# Altium PCB amp.PcbDoc (part 17 of 20)
Units mm, origin at the board's own origin, x right, y up, seen from the top; angles counter-clockwise.
Board outline 210 x 210 mm, 2 copper layers (Top Layer, Bottom Layer); 742 components, 1354 nets, 6402 pads, 5154 vias.
Unrouted connection lines stored in the file: 702.
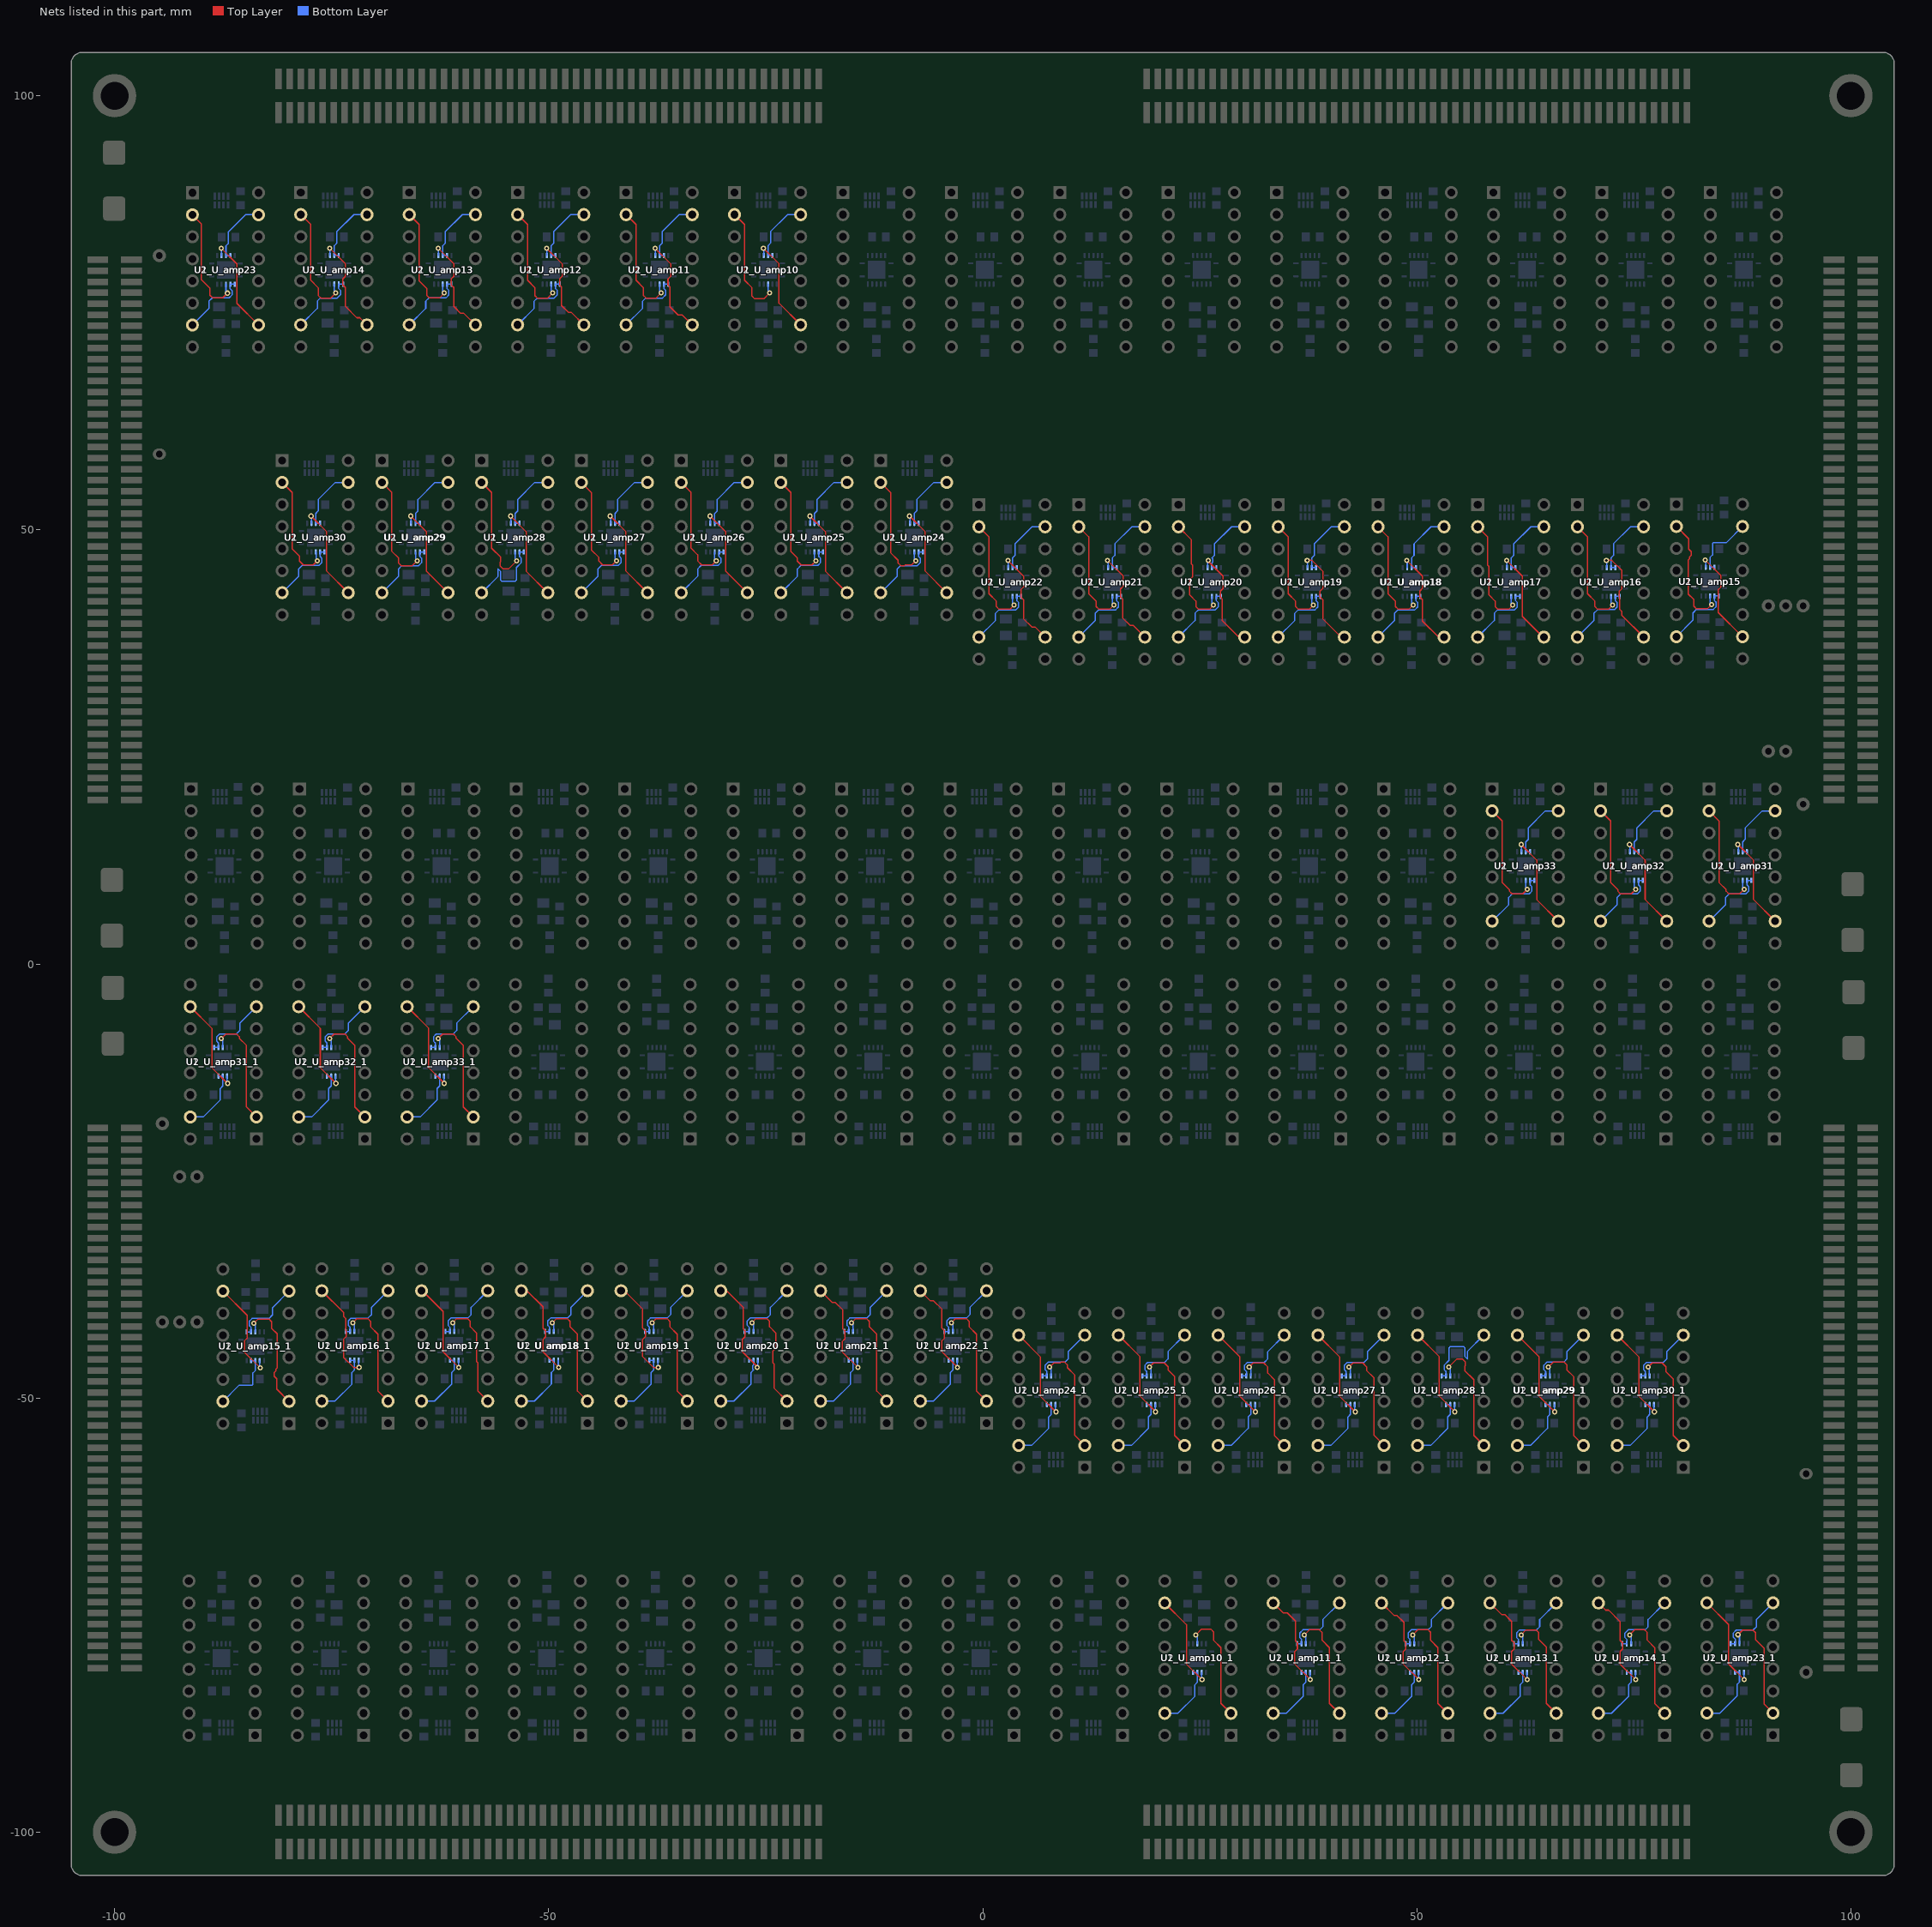
[diagram p17: the nets of this part, all layers, seen from the top]

## Via types
v1: diameter 0.6, hole 0.3, Top Layer to Bottom Layer, tented both sides, 4704 vias
v2: diameter 0.5, hole 0.3, Top Layer to Bottom Layer, 450 vias

## Nets (pads, with @x,y where several pads share a name; then routed paths per layer and width w, separated by ;. In a path a pad name is that pad's centre, name@x,y a point inside that pad or via, vN(x,y) a via of type N, cw(c..) or ccw(c..) an arc to the next point about the centre after c; other vN are vias at no path point) (continued)
NetU1_U_amp10_4: U1_U_amp10.4 U1_U_amp10_1.4 U2_U_amp10.2 U2_U_amp10_1.2 | length 27.5
  Top Layer w0.15: U2_U_amp10.2@-28.591,86.31 -27.445,85.164 -27.445,78.742 -26.585,77.882 -26.585,76.922 -26.278,76.615 -25.222,76.615 v1(-24.549,77.287) ; v1(24.549,-77.287) 25.222,-76.615 26.278,-76.615 26.585,-76.922 26.585,-77.882 27.445,-78.742 27.445,-85.164 U2_U_amp10_1.2@28.591,-86.31
  Bottom Layer w0.15: v1@-24.724,77.227 U1_U_amp10.4@-24.724,78.305 ; U1_U_amp10_1.4@24.724,-78.305 v1@24.724,-77.227
NetU1_U_amp10_10: U1_U_amp10.10 U1_U_amp10_1.10 U2_U_amp10.10 U2_U_amp10_1.10 | length 22.9
  Top Layer w0.15: v1(-25.264,82.443) -23.462,80.641 -23.462,76.101 U2_U_amp10.10@-20.971,73.61 ; U2_U_amp10_1.10@20.971,-73.61 23.462,-76.101 23.462,-80.641 v1(25.264,-82.443)
  Bottom Layer w0.15: v1(-25.264,82.443) -25.224,82.403 U1_U_amp10.10@-25.224,81.605 ; U1_U_amp10_1.10@25.224,-81.605 25.224,-82.403 v1(25.264,-82.443)
NetU1_U_amp10_11: U1_U_amp10.11 U1_U_amp10.12 U1_U_amp10_1.11 U1_U_amp10_1.12 U2_U_amp10.15 U2_U_amp10_1.15 | length 15.3
  Bottom Layer w0.15: U1_U_amp10.12@-24.224,81.605 U1_U_amp10.11@-24.724,81.605 -24.724,82.739 -24.436,83.028 -24.436,84.349 -22.474,86.31 U2_U_amp10.15@-20.971,86.31 ; U2_U_amp10_1.15@20.971,-86.31 22.474,-86.31 24.436,-84.349 24.436,-83.028 24.724,-82.739 U1_U_amp10_1.11@24.724,-81.605 U1_U_amp10_1.12@24.224,-81.605
NetU1_U_amp11_2: U1_U_amp11.2 U1_U_amp11.3 U1_U_amp11_1.2 U1_U_amp11_1.3 U2_U_amp11.7 U2_U_amp11_1.7 | length 16.6
  Bottom Layer w0.15: U2_U_amp11.7@-41.082,73.61 -39.177,75.515 -39.177,76.347 -38.833,76.691 -36.893,76.691 -36.514,77.07 -36.514,77.587 -36.723,77.795 -36.723,78.297 U1_U_amp11.3@-36.715,78.305 U1_U_amp11.2@-36.215,78.305 ; U1_U_amp11_1.2@36.215,-78.305 U1_U_amp11_1.3@36.715,-78.305 36.723,-78.297 36.723,-77.795 36.514,-77.587 36.514,-77.07 36.893,-76.691 38.833,-76.691 39.177,-76.347 39.177,-75.515 U2_U_amp11_1.7@41.082,-73.61
NetU1_U_amp11_4: U1_U_amp11.4 U1_U_amp11_1.4 U2_U_amp11.2 U2_U_amp11_1.2 | length 27.3
  Top Layer w0.15: U2_U_amp11.2@-41.082,86.31 -39.935,85.164 -39.935,78.742 -39.082,77.889 -39.082,76.999 -38.775,76.691 -37.636,76.691 v1(-37.039,77.287) ; v1(37.039,-77.287) 37.636,-76.691 38.775,-76.691 39.082,-76.999 39.082,-77.889 39.935,-78.742 39.935,-85.164 U2_U_amp11_1.2@41.082,-86.31
  Bottom Layer w0.15: v1@-37.215,77.227 U1_U_amp11.4@-37.215,78.305 ; U1_U_amp11_1.4@37.215,-78.305 v1@37.215,-77.227
NetU1_U_amp11_10: U1_U_amp11.10 U1_U_amp11_1.10 U2_U_amp11.10 U2_U_amp11_1.10 | length 24
  Top Layer w0.15: v1(-37.755,82.443) -35.952,80.641 -35.952,79.199 -36.252,78.899 -36.252,78.216 -36.027,77.991 -36.027,75.696 -35.092,74.761 -34.612,74.761 U2_U_amp11.10@-33.462,73.61 ; U2_U_amp11_1.10@33.462,-73.61 34.612,-74.761 35.092,-74.761 36.027,-75.696 36.027,-77.991 36.252,-78.216 36.252,-78.899 35.952,-79.199 35.952,-80.641 v1(37.755,-82.443)
  Bottom Layer w0.15: v1(-37.755,82.443) -37.715,82.403 U1_U_amp11.10@-37.715,81.605 ; U1_U_amp11_1.10@37.715,-81.605 37.715,-82.403 v1(37.755,-82.443)
NetU1_U_amp11_11: U1_U_amp11.11 U1_U_amp11.12 U1_U_amp11_1.11 U1_U_amp11_1.12 U2_U_amp11.15 U2_U_amp11_1.15 | length 15.3
  Bottom Layer w0.15: U1_U_amp11.12@-36.715,81.605 U1_U_amp11.11@-37.215,81.605 -37.215,82.739 -36.926,83.028 -36.926,84.349 -34.964,86.31 U2_U_amp11.15@-33.462,86.31 ; U2_U_amp11_1.15@33.462,-86.31 34.964,-86.31 36.926,-84.349 36.926,-83.028 37.215,-82.739 U1_U_amp11_1.11@37.215,-81.605 U1_U_amp11_1.12@36.715,-81.605
NetU1_U_amp12_2: U1_U_amp12.2 U1_U_amp12.3 U1_U_amp12_1.2 U1_U_amp12_1.3 U2_U_amp12.7 U2_U_amp12_1.7 | length 16.6
  Bottom Layer w0.15: U2_U_amp12.7@-53.572,73.61 -51.667,75.515 -51.667,76.347 -51.349,76.666 -49.409,76.666 -49.005,77.07 -49.005,77.587 -49.213,77.795 -49.213,78.297 U1_U_amp12.3@-49.205,78.305 U1_U_amp12.2@-48.705,78.305 ; U1_U_amp12_1.2@48.705,-78.305 U1_U_amp12_1.3@49.205,-78.305 49.213,-78.297 49.213,-77.795 49.005,-77.587 49.005,-77.07 49.409,-76.666 51.349,-76.666 51.667,-76.347 51.667,-75.515 U2_U_amp12_1.7@53.572,-73.61
NetU1_U_amp12_4: U1_U_amp12.4 U1_U_amp12_1.4 U2_U_amp12.2 U2_U_amp12_1.2 | length 27.4
  Top Layer w0.15: U2_U_amp12.2@-53.572,86.31 -52.425,85.164 -52.425,82.582 -52.425,78.742 -51.579,77.895 -51.579,76.973 -51.271,76.666 -50.151,76.666 v1(-49.53,77.287) ; v1(49.53,-77.287) 50.151,-76.666 51.271,-76.666 51.579,-76.973 51.579,-77.895 52.425,-78.742 52.425,-82.582 52.425,-85.164 U2_U_amp12_1.2@53.572,-86.31
  Bottom Layer w0.15: v1@-49.705,77.227 U1_U_amp12.4@-49.705,78.305 ; U1_U_amp12_1.4@49.705,-78.305 v1@49.705,-77.227
NetU1_U_amp12_10: U1_U_amp12.10 U1_U_amp12_1.10 U2_U_amp12.10 U2_U_amp12_1.10 | length 23.8
  Top Layer w0.15: v1(-50.245,82.443) -48.442,80.641 -48.442,79.199 -48.742,78.899 -48.742,78.216 -48.517,77.991 -48.517,75.842 -47.741,75.065 -47.407,75.065 U2_U_amp12.10@-45.952,73.61 ; U2_U_amp12_1.10@45.952,-73.61 47.407,-75.065 47.741,-75.065 48.517,-75.842 48.517,-77.991 48.742,-78.216 48.742,-78.899 48.442,-79.199 48.442,-80.641 v1(50.245,-82.443)
  Bottom Layer w0.15: v1(-50.245,82.443) -50.205,82.403 U1_U_amp12.10@-50.205,81.605 ; U1_U_amp12_1.10@50.205,-81.605 50.205,-82.403 v1(50.245,-82.443)
NetU1_U_amp12_11: U1_U_amp12.11 U1_U_amp12.12 U1_U_amp12_1.11 U1_U_amp12_1.12 U2_U_amp12.15 U2_U_amp12_1.15 | length 15.3
  Bottom Layer w0.15: U1_U_amp12.12@-49.205,81.605 U1_U_amp12.11@-49.705,81.605 -49.705,82.739 -49.416,83.028 -49.416,84.349 -47.454,86.31 U2_U_amp12.15@-45.952,86.31 ; U2_U_amp12_1.15@45.952,-86.31 47.454,-86.31 49.416,-84.349 49.416,-83.028 49.705,-82.739 U1_U_amp12_1.11@49.705,-81.605 U1_U_amp12_1.12@49.205,-81.605
NetU1_U_amp13_2: U1_U_amp13.2 U1_U_amp13.3 U1_U_amp13_1.2 U1_U_amp13_1.3 U2_U_amp13.7 U2_U_amp13_1.7 | length 16.6
  Bottom Layer w0.15: U2_U_amp13.7@-66.062,73.61 -64.157,75.515 -64.157,76.347 -63.788,76.716 -61.848,76.716 -61.495,77.07 -61.495,77.587 -61.703,77.795 -61.703,78.297 U1_U_amp13.3@-61.695,78.305 U1_U_amp13.2@-61.195,78.305 ; U1_U_amp13_1.2@61.195,-78.305 U1_U_amp13_1.3@61.695,-78.305 61.703,-78.297 61.703,-77.795 61.495,-77.587 61.495,-77.07 61.848,-76.716 63.788,-76.716 64.157,-76.347 64.157,-75.515 U2_U_amp13_1.7@66.062,-73.61
NetU1_U_amp13_4: U1_U_amp13.4 U1_U_amp13_1.4 U2_U_amp13.2 U2_U_amp13_1.2 | length 27.2
  Top Layer w0.15: U2_U_amp13.2@-66.062,86.31 -64.916,85.164 -64.916,78.677 -64.05,77.812 -64.05,77.024 -63.743,76.716 -62.591,76.716 v1(-62.02,77.287) ; v1(62.02,-77.287) 62.591,-76.716 63.743,-76.716 64.05,-77.024 64.05,-77.812 64.916,-78.677 64.916,-85.164 U2_U_amp13_1.2@66.062,-86.31
  Bottom Layer w0.15: v1@-62.195,77.227 U1_U_amp13.4@-62.195,78.305 ; U1_U_amp13_1.4@62.195,-78.305 v1@62.195,-77.227
NetU1_U_amp13_10: U1_U_amp13.10 U1_U_amp13_1.10 U2_U_amp13.10 U2_U_amp13_1.10 | length 23.9
  Top Layer w0.15: v1(-62.735,82.443) -60.933,80.641 -60.933,79.199 -61.233,78.899 -61.233,78.216 -60.933,77.916 -60.933,75.735 -60.136,74.938 -59.77,74.938 U2_U_amp13.10@-58.442,73.61 ; U2_U_amp13_1.10@58.442,-73.61 59.77,-74.938 60.136,-74.938 60.933,-75.735 60.933,-77.916 61.233,-78.216 61.233,-78.899 60.933,-79.199 60.933,-80.641 v1(62.735,-82.443)
  Bottom Layer w0.15: v1(-62.735,82.443) -62.695,82.403 U1_U_amp13.10@-62.695,81.605 ; U1_U_amp13_1.10@62.695,-81.605 62.695,-82.403 v1(62.735,-82.443)
NetU1_U_amp13_11: U1_U_amp13.11 U1_U_amp13.12 U1_U_amp13_1.11 U1_U_amp13_1.12 U2_U_amp13.15 U2_U_amp13_1.15 | length 15.3
  Bottom Layer w0.15: U1_U_amp13.12@-61.695,81.605 U1_U_amp13.11@-62.195,81.605 -62.195,82.739 -61.906,83.028 -61.906,84.349 -59.944,86.31 U2_U_amp13.15@-58.442,86.31 ; U2_U_amp13_1.15@58.442,-86.31 59.944,-86.31 61.906,-84.349 61.906,-83.028 62.195,-82.739 U1_U_amp13_1.11@62.195,-81.605 U1_U_amp13_1.12@61.695,-81.605
NetU1_U_amp14_2: U1_U_amp14.2 U1_U_amp14.3 U1_U_amp14_1.2 U1_U_amp14_1.3 U2_U_amp14.7 U2_U_amp14_1.7 | length 16.6
  Bottom Layer w0.15: U2_U_amp14.7@-78.552,73.61 -76.648,75.515 -76.648,76.347 -76.304,76.691 -74.364,76.691 -73.985,77.07 -73.985,77.587 -74.193,77.795 -74.193,78.297 U1_U_amp14.3@-74.185,78.305 U1_U_amp14.2@-73.685,78.305 ; U1_U_amp14_1.2@73.685,-78.305 U1_U_amp14_1.3@74.185,-78.305 74.193,-78.297 74.193,-77.795 73.985,-77.587 73.985,-77.07 74.364,-76.691 76.304,-76.691 76.648,-76.347 76.648,-75.515 U2_U_amp14_1.7@78.552,-73.61
NetU1_U_amp14_4: U1_U_amp14.4 U1_U_amp14_1.4 U2_U_amp14.2 U2_U_amp14_1.2 | length 27.3
  Top Layer w0.15: U2_U_amp14.2@-78.552,86.31 -77.406,85.164 -77.406,78.742 -76.547,77.883 -76.547,76.999 -76.24,76.691 -75.106,76.691 v1(-74.51,77.287) ; v1(74.51,-77.287) 75.106,-76.691 76.24,-76.691 76.547,-76.999 76.547,-77.883 77.406,-78.742 77.406,-85.164 U2_U_amp14_1.2@78.552,-86.31
  Bottom Layer w0.15: v1@-74.685,77.227 U1_U_amp14.4@-74.685,78.305 ; U1_U_amp14_1.4@74.685,-78.305 v1@74.685,-77.227
NetU1_U_amp14_10: U1_U_amp14.10 U1_U_amp14_1.10 U2_U_amp14.10 U2_U_amp14_1.10 | length 23.8
  Top Layer w0.15: v1(-75.225,82.443) -73.423,80.641 -73.423,79.199 -73.723,78.899 -73.723,78.216 -73.423,77.916 -73.423,75.754 -72.099,74.43 -71.752,74.43 U2_U_amp14.10@-70.932,73.61 ; U2_U_amp14_1.10@70.932,-73.61 71.752,-74.43 72.099,-74.43 73.423,-75.754 73.423,-77.916 73.723,-78.216 73.723,-78.899 73.423,-79.199 73.423,-80.641 v1(75.225,-82.443)
  Bottom Layer w0.15: v1(-75.225,82.443) -75.185,82.403 U1_U_amp14.10@-75.185,81.605 ; U1_U_amp14_1.10@75.185,-81.605 75.185,-82.403 v1(75.225,-82.443)
NetU1_U_amp14_11: U1_U_amp14.11 U1_U_amp14.12 U1_U_amp14_1.11 U1_U_amp14_1.12 U2_U_amp14.15 U2_U_amp14_1.15 | length 15.3
  Bottom Layer w0.15: U1_U_amp14.12@-74.185,81.605 U1_U_amp14.11@-74.685,81.605 -74.685,82.739 -74.396,83.028 -74.396,84.349 -72.435,86.31 U2_U_amp14.15@-70.932,86.31 ; U2_U_amp14_1.15@70.932,-86.31 72.435,-86.31 74.396,-84.349 74.396,-83.028 74.685,-82.739 U1_U_amp14_1.11@74.685,-81.605 U1_U_amp14_1.12@74.185,-81.605
NetU1_U_amp15_2: U1_U_amp15.2 U1_U_amp15.3 U1_U_amp15_1.2 U1_U_amp15_1.3 U2_U_amp15.7 U2_U_amp15_1.7 | length 16.6
  Bottom Layer w0.15: U1_U_amp15_1.2@-84.775,-42.389 U1_U_amp15_1.3@-84.275,-42.389 -84.267,-42.381 -84.267,-41.879 -84.476,-41.67 -84.476,-41.153 -84.16,-40.837 -82.22,-40.837 -81.813,-40.431 -81.813,-39.598 U2_U_amp15_1.7@-79.908,-37.694 ; U2_U_amp15.7@79.908,37.694 81.813,39.598 81.813,40.431 82.22,40.837 84.16,40.837 84.476,41.153 84.476,41.67 84.267,41.879 84.267,42.381 U1_U_amp15.3@84.275,42.389 U1_U_amp15.2@84.775,42.389
NetU1_U_amp15_4: U1_U_amp15.4 U1_U_amp15_1.4 U2_U_amp15.2 U2_U_amp15_1.2 | length 27.5
  Top Layer w0.15: v1(-83.951,-41.371) -83.476,-40.896 -82.219,-40.896 -81.907,-41.209 -81.907,-41.973 -81.277,-42.602 -81.277,-46.518 -81.427,-46.668 -81.427,-46.859 -81.627,-47.059 -81.627,-47.494 -81.327,-47.794 -81.327,-48.975 U2_U_amp15_1.2@-79.908,-50.394 ; U2_U_amp15.2@79.908,50.394 81.327,48.975 81.327,47.794 81.627,47.494 81.627,47.059 81.427,46.859 81.427,46.668 81.277,46.518 81.277,42.602 81.907,41.973 81.907,41.209 82.219,40.896 83.476,40.896 v1(83.951,41.371)
  Bottom Layer w0.15: v1(-83.951,-41.371) -83.775,-41.546 U1_U_amp15_1.4@-83.775,-42.389 ; U1_U_amp15.4@83.775,42.389 83.775,41.546 v1(83.951,41.371)
NetU1_U_amp15_10: U1_U_amp15.10 U1_U_amp15_1.10 U2_U_amp15.10 U2_U_amp15_1.10 | length 23.4
  Top Layer w0.15: U2_U_amp15_1.10@-87.528,-37.694 -84.738,-40.484 -84.738,-43.105 -85.038,-43.405 -85.038,-44.724 v1(-83.235,-46.527) ; v1(83.235,46.527) 85.038,44.724 85.038,43.405 84.738,43.105 84.738,40.484 U2_U_amp15.10@87.528,37.694
  Bottom Layer w0.15: U1_U_amp15_1.10@-83.275,-45.689 -83.275,-46.487 v1(-83.235,-46.527) ; v1(83.235,46.527) 83.275,46.487 U1_U_amp15.10@83.275,45.689
NetU1_U_amp15_11: U1_U_amp15.11 U1_U_amp15.12 U1_U_amp15_1.11 U1_U_amp15_1.12 U2_U_amp15.15 U2_U_amp15_1.15 | length 15.3
  Bottom Layer w0.15: U2_U_amp15_1.15@-87.528,-50.394 -85.682,-48.547 -84.18,-48.547 -84.064,-48.432 -84.064,-47.111 -83.775,-46.822 U1_U_amp15_1.11@-83.775,-45.689 U1_U_amp15_1.12@-84.275,-45.689 ; U1_U_amp15.12@84.275,45.689 U1_U_amp15.11@83.775,45.689 83.775,46.822 84.064,47.111 84.064,48.432 84.18,48.547 85.682,48.547 U2_U_amp15.15@87.528,50.394
NetU1_U_amp16_2: U1_U_amp16.2 U1_U_amp16.3 U1_U_amp16_1.2 U1_U_amp16_1.3 U2_U_amp16.7 U2_U_amp16_1.7 | length 16.6
  Bottom Layer w0.15: U1_U_amp16_1.2@-73.377,-42.345 U1_U_amp16_1.3@-72.877,-42.345 -72.869,-42.337 -72.869,-41.835 -73.077,-41.627 -73.077,-41.11 -72.77,-40.802 -70.83,-40.802 -70.415,-40.387 -70.415,-39.555 U2_U_amp16_1.7@-68.51,-37.65 ; U2_U_amp16.7@68.51,37.65 70.415,39.555 70.415,40.387 70.83,40.802 72.77,40.802 73.077,41.11 73.077,41.627 72.869,41.835 72.869,42.337 U1_U_amp16.3@72.877,42.345 U1_U_amp16.2@73.377,42.345
NetU1_U_amp16_4: U1_U_amp16.4 U1_U_amp16_1.4 U2_U_amp16.2 U2_U_amp16_1.2 | length 26.9
  Top Layer w0.15: v1(-72.552,-41.327) -72.078,-40.853 -71.263,-40.853 -71.261,-40.852 -70.826,-40.852 -70.519,-41.159 -70.519,-41.788 -69.657,-42.65 -69.657,-49.204 U2_U_amp16_1.2@-68.51,-50.35 ; U2_U_amp16.2@68.51,50.35 69.657,49.204 69.657,42.65 70.519,41.788 70.519,41.159 70.826,40.852 71.261,40.852 71.263,40.853 72.078,40.853 v1(72.552,41.327)
  Bottom Layer w0.15: v1(-72.552,-41.327) -72.377,-41.502 U1_U_amp16_1.4@-72.377,-42.345 ; U1_U_amp16.4@72.377,42.345 72.377,41.502 v1(72.552,41.327)
NetU1_U_amp16_10: U1_U_amp16.10 U1_U_amp16_1.10 U2_U_amp16.10 U2_U_amp16_1.10 | length 24.1
  Top Layer w0.15: U2_U_amp16_1.10@-76.13,-37.65 -73.626,-40.154 -73.626,-40.603 -73.389,-40.841 -73.389,-42.206 -73.34,-42.255 -73.34,-42.939 -73.627,-43.227 -73.627,-45.321 -72.465,-46.483 v1(-71.837,-46.483) ; v1(71.837,46.483) 72.465,46.483 73.627,45.321 73.627,43.227 73.34,42.939 73.34,42.255 73.389,42.206 73.389,40.841 73.626,40.603 73.626,40.154 U2_U_amp16.10@76.13,37.65
  Bottom Layer w0.15: U1_U_amp16_1.10@-71.877,-45.645 -71.877,-46.443 v1(-71.837,-46.483) ; v1(71.837,46.483) 71.877,46.443 U1_U_amp16.10@71.877,45.645
NetU1_U_amp16_11: U1_U_amp16.11 U1_U_amp16.12 U1_U_amp16_1.11 U1_U_amp16_1.12 U2_U_amp16.15 U2_U_amp16_1.15 | length 15.3
  Bottom Layer w0.15: U2_U_amp16_1.15@-76.13,-50.35 -74.628,-50.35 -72.666,-48.388 -72.666,-47.068 -72.377,-46.779 U1_U_amp16_1.11@-72.377,-45.645 U1_U_amp16_1.12@-72.877,-45.645 ; U1_U_amp16.12@72.877,45.645 U1_U_amp16.11@72.377,45.645 72.377,46.779 72.666,47.068 72.666,48.388 74.628,50.35 U2_U_amp16.15@76.13,50.35
NetU1_U_amp17_2: U1_U_amp17.2 U1_U_amp17.3 U1_U_amp17_1.2 U1_U_amp17_1.3 U2_U_amp17.7 U2_U_amp17_1.7 | length 16.6
  Bottom Layer w0.15: U1_U_amp17_1.2@-61.887,-42.345 U1_U_amp17_1.3@-61.387,-42.345 -61.379,-42.337 -61.379,-41.835 -61.587,-41.627 -61.587,-41.11 -61.271,-40.794 -59.331,-40.794 -58.925,-40.387 -58.925,-39.555 U2_U_amp17_1.7@-57.02,-37.65 ; U2_U_amp17.7@57.02,37.65 58.925,39.555 58.925,40.387 59.331,40.794 61.271,40.794 61.587,41.11 61.587,41.627 61.379,41.835 61.379,42.337 U1_U_amp17.3@61.387,42.345 U1_U_amp17.2@61.887,42.345
NetU1_U_amp17_4: U1_U_amp17.4 U1_U_amp17_1.4 U2_U_amp17.2 U2_U_amp17_1.2 | length 26.9
  Top Layer w0.15: v1(-61.062,-41.327) -60.588,-40.853 -59.772,-40.853 -59.771,-40.852 -59.336,-40.852 -59.029,-41.159 -59.029,-41.788 -58.295,-42.521 -58.295,-45.81 -58.166,-45.938 -58.166,-49.204 U2_U_amp17_1.2@-57.02,-50.35 ; U2_U_amp17.2@57.02,50.35 58.166,49.204 58.166,45.938 58.295,45.81 58.295,42.521 59.029,41.788 59.029,41.159 59.336,40.852 59.771,40.852 59.772,40.853 60.588,40.853 v1(61.062,41.327)
  Bottom Layer w0.15: v1(-61.062,-41.327) -60.887,-41.502 U1_U_amp17_1.4@-60.887,-42.345 ; U1_U_amp17.4@60.887,42.345 60.887,41.502 v1(61.062,41.327)
NetU1_U_amp17_10: U1_U_amp17.10 U1_U_amp17_1.10 U2_U_amp17.10 U2_U_amp17_1.10 | length 23.1
  Top Layer w0.15: U2_U_amp17_1.10@-64.64,-37.65 -64.528,-37.65 -62.149,-40.029 -62.149,-44.681 v1(-60.347,-46.483) ; v1(60.347,46.483) 62.149,44.681 62.149,40.029 64.528,37.65 U2_U_amp17.10@64.64,37.65
  Bottom Layer w0.15: U1_U_amp17_1.10@-60.387,-45.645 -60.387,-46.443 v1(-60.347,-46.483) ; v1(60.347,46.483) 60.387,46.443 U1_U_amp17.10@60.387,45.645
NetU1_U_amp17_11: U1_U_amp17.11 U1_U_amp17.12 U1_U_amp17_1.11 U1_U_amp17_1.12 U2_U_amp17.15 U2_U_amp17_1.15 | length 15.3
  Bottom Layer w0.15: U2_U_amp17_1.15@-64.64,-50.35 -63.138,-50.35 -61.176,-48.388 -61.176,-47.068 -60.887,-46.779 U1_U_amp17_1.11@-60.887,-45.645 U1_U_amp17_1.12@-61.387,-45.645 ; U1_U_amp17.12@61.387,45.645 U1_U_amp17.11@60.887,45.645 60.887,46.779 61.176,47.068 61.176,48.388 63.138,50.35 U2_U_amp17.15@64.64,50.35
NetU1_U_amp18_2: U1_U_amp18.2 U1_U_amp18.3 U1_U_amp18_1.2 U1_U_amp18_1.3 U2_U_amp18.7 U2_U_amp18_1.7 | length 16.6
  Bottom Layer w0.15: U1_U_amp18_1.2@-50.397,-42.345 U1_U_amp18_1.3@-49.897,-42.345 -49.889,-42.337 -49.889,-41.835 -50.097,-41.627 -50.097,-41.11 -49.781,-40.794 -47.841,-40.794 -47.434,-40.387 -47.434,-39.555 U2_U_amp18_1.7@-45.53,-37.65 ; U2_U_amp18.7@45.53,37.65 47.434,39.555 47.434,40.387 47.841,40.794 49.781,40.794 50.097,41.11 50.097,41.627 49.889,41.835 49.889,42.337 U1_U_amp18.3@49.897,42.345 U1_U_amp18.2@50.397,42.345
NetU1_U_amp18_4: U1_U_amp18.4 U1_U_amp18_1.4 U2_U_amp18.2 U2_U_amp18_1.2 | length 26.9
  Top Layer w0.15: v1(-49.572,-41.327) -49.098,-40.853 -48.282,-40.853 -48.281,-40.852 -47.846,-40.852 -47.538,-41.159 -47.538,-41.788 -46.676,-42.65 -46.676,-49.204 U2_U_amp18_1.2@-45.53,-50.35 ; U2_U_amp18.2@45.53,50.35 46.676,49.204 46.676,42.65 47.538,41.788 47.538,41.159 47.846,40.852 48.281,40.852 48.282,40.853 49.098,40.853 v1(49.572,41.327)
  Bottom Layer w0.15: v1(-49.572,-41.327) -49.397,-41.502 U1_U_amp18_1.4@-49.397,-42.345 ; U1_U_amp18.4@49.397,42.345 49.397,41.502 v1(49.572,41.327)
NetU1_U_amp18_10: U1_U_amp18.10 U1_U_amp18_1.10 U2_U_amp18.10 U2_U_amp18_1.10 | length 24.2
  Top Layer w0.15: U2_U_amp18_1.10@-53.15,-37.65 -52.489,-37.65 -50.659,-39.48 -50.659,-41.955 -50.359,-42.255 -50.359,-42.952 -50.659,-43.252 -50.659,-44.681 v1(-48.857,-46.483) ; v1(48.857,46.483) 50.659,44.681 50.659,43.252 50.359,42.952 50.359,42.255 50.659,41.955 50.659,39.48 52.489,37.65 U2_U_amp18.10@53.15,37.65
  Bottom Layer w0.15: U1_U_amp18_1.10@-48.897,-45.645 -48.897,-46.443 v1(-48.857,-46.483) ; v1(48.857,46.483) 48.897,46.443 U1_U_amp18.10@48.897,45.645
NetU1_U_amp18_11: U1_U_amp18.11 U1_U_amp18.12 U1_U_amp18_1.11 U1_U_amp18_1.12 U2_U_amp18.15 U2_U_amp18_1.15 | length 15.3
  Bottom Layer w0.15: U2_U_amp18_1.15@-53.15,-50.35 -51.647,-50.35 -49.686,-48.388 -49.686,-47.068 -49.397,-46.779 U1_U_amp18_1.11@-49.397,-45.645 U1_U_amp18_1.12@-49.897,-45.645 ; U1_U_amp18.12@49.897,45.645 U1_U_amp18.11@49.397,45.645 49.397,46.779 49.686,47.068 49.686,48.388 51.647,50.35 U2_U_amp18.15@53.15,50.35
NetU1_U_amp19_2: U1_U_amp19.2 U1_U_amp19.3 U1_U_amp19_1.2 U1_U_amp19_1.3 U2_U_amp19.7 U2_U_amp19_1.7 | length 16.6
  Bottom Layer w0.15: U1_U_amp19_1.2@-38.907,-42.345 U1_U_amp19_1.3@-38.407,-42.345 -38.399,-42.337 -38.399,-41.835 -38.607,-41.627 -38.607,-41.11 -38.291,-40.794 -36.351,-40.794 -35.944,-40.387 -35.944,-39.555 U2_U_amp19_1.7@-34.04,-37.65 ; U2_U_amp19.7@34.04,37.65 35.944,39.555 35.944,40.387 36.351,40.794 38.291,40.794 38.607,41.11 38.607,41.627 38.399,41.835 38.399,42.337 U1_U_amp19.3@38.407,42.345 U1_U_amp19.2@38.907,42.345
NetU1_U_amp19_4: U1_U_amp19.4 U1_U_amp19_1.4 U2_U_amp19.2 U2_U_amp19_1.2 | length 26.9
  Top Layer w0.15: v1(-38.082,-41.327) -37.608,-40.853 -36.792,-40.853 -36.791,-40.852 -36.356,-40.852 -36.048,-41.159 -36.048,-41.788 -35.186,-42.65 -35.186,-49.204 U2_U_amp19_1.2@-34.04,-50.35 ; U2_U_amp19.2@34.04,50.35 35.186,49.204 35.186,42.65 36.048,41.788 36.048,41.159 36.356,40.852 36.791,40.852 36.792,40.853 37.608,40.853 v1(38.082,41.327)
  Bottom Layer w0.15: v1(-38.082,-41.327) -37.907,-41.502 U1_U_amp19_1.4@-37.907,-42.345 ; U1_U_amp19.4@37.907,42.345 37.907,41.502 v1(38.082,41.327)
NetU1_U_amp19_10: U1_U_amp19.10 U1_U_amp19_1.10 U2_U_amp19.10 U2_U_amp19_1.10 | length 24.5
  Top Layer w0.15: U2_U_amp19_1.10@-41.66,-37.65 -41.515,-37.795 -41.142,-37.795 -39.169,-39.768 -39.169,-41.955 -38.869,-42.255 -38.869,-42.939 -39.169,-43.239 -39.169,-45.235 -37.921,-46.483 v1(-37.367,-46.483) ; v1(37.367,46.483) 37.921,46.483 39.169,45.235 39.169,43.239 38.869,42.939 38.869,42.255 39.169,41.955 39.169,39.768 41.142,37.795 41.515,37.795 U2_U_amp19.10@41.66,37.65
  Bottom Layer w0.15: U1_U_amp19_1.10@-37.407,-45.645 -37.407,-46.443 v1(-37.367,-46.483) ; v1(37.367,46.483) 37.407,46.443 U1_U_amp19.10@37.407,45.645
NetU1_U_amp19_11: U1_U_amp19.11 U1_U_amp19.12 U1_U_amp19_1.11 U1_U_amp19_1.12 U2_U_amp19.15 U2_U_amp19_1.15 | length 15.3